# KiCad board chastity.kicad_pcb (continued)
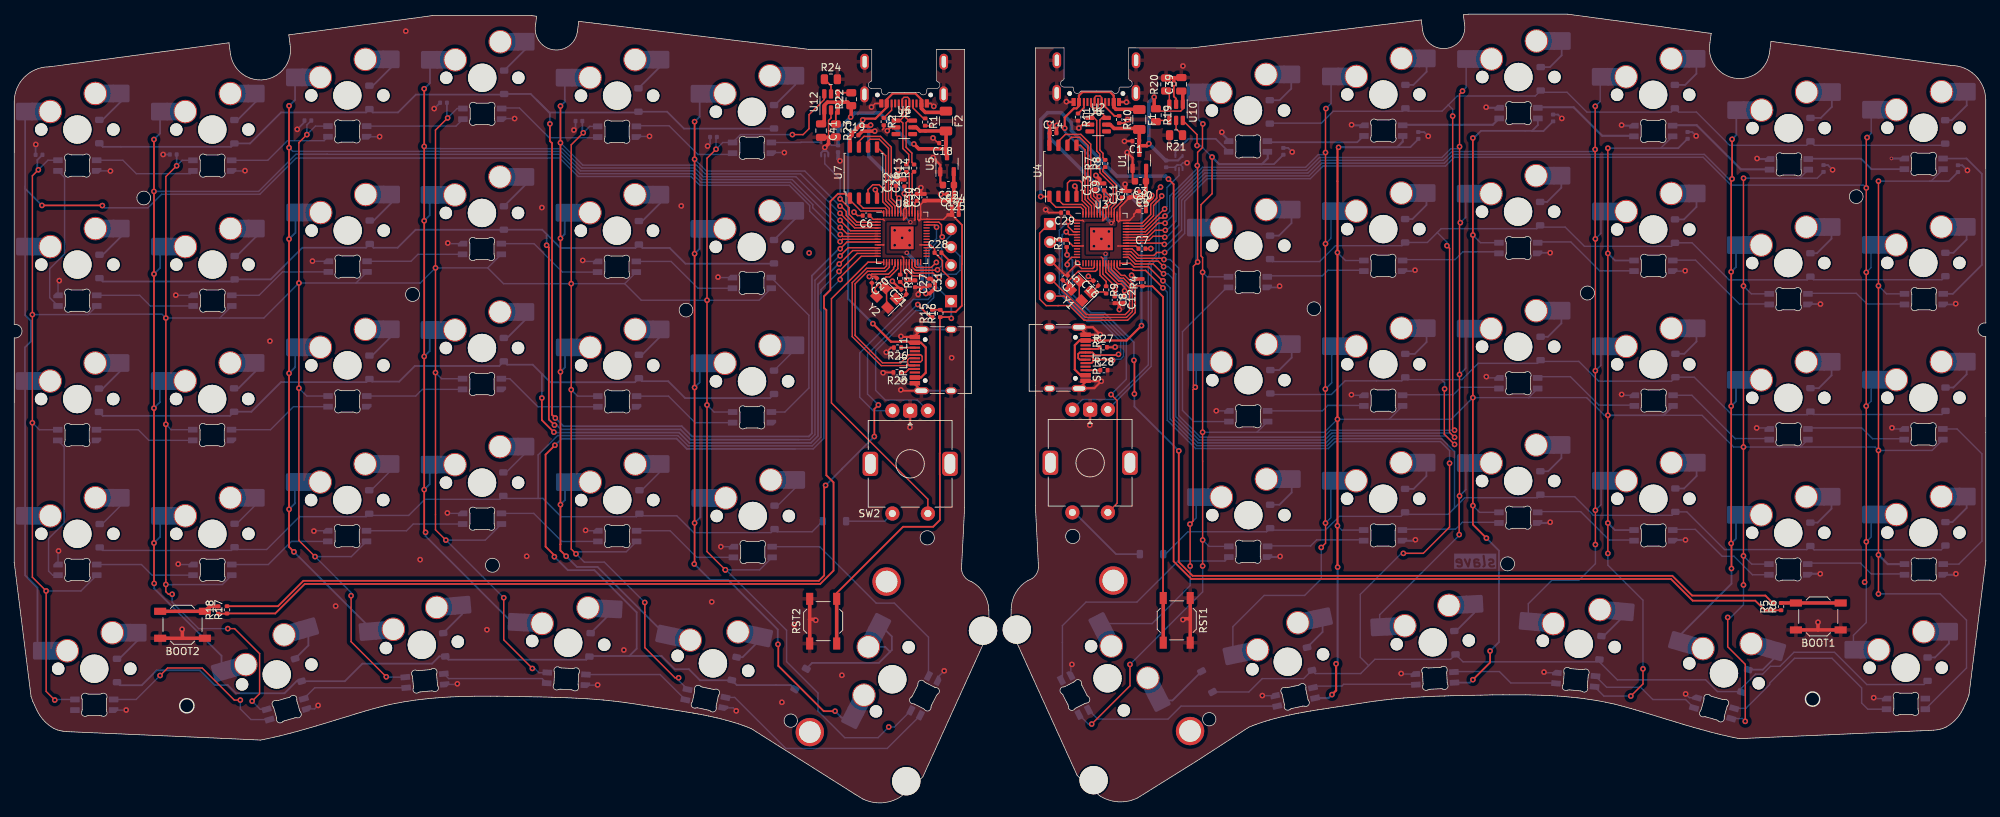
[diagram p0: board, top side]
## Nets
+1V1: C11.1 C12.1 C13.1 C30.1 C31.1 C32.1 U3.23 U3.45 U3.50 U8.23 U8.45 U8.50
+3V3: C2.1 C3.1 C4.1 C5.1 C6.1 C7.1 C8.1 C9.1 C10.1 C14.1 C17.1 C19.1 C22.1 C23.1 C24.1 C25.1 C26.1 C27.1 C28.1 C29.1 J4.2 J8.2 R3.2 R4.2 R15.2 R16.2 U1.2 U3.1 U3.10 U3.22 U3.33 U3.42 U3.43 U3.44 U3.48 U3.49 U4.8 U5.2 U7.8 U8.1 U8.10 U8.22 U8.33 U8.42 U8.43 U8.44 U8.48 U8.49
+5V: C1.1 C18.1 C33.2 C39.1 C40.2 C41.1 F1.2 F2.2 R19.1 R22.1 U1.3 U2.5 U5.3 U6.5 U9.5 U10.1 U11.5 U12.1
GND: BOOT1.1 BOOT2.1 C1.2 C2.2 C3.2 C4.2 C5.2 C6.2 C7.2 C8.2 C9.2 C10.2 C11.2 C12.2 C13.2 C14.2 C15.1 C16.2 C17.2 C18.2 C19.2 C20.1 C21.2 C22.2 C23.2 C24.2 C25.2 C26.2 C27.2 C28.2 C29.2 C30.2 C31.2 C32.2 C33.1 C34.1 C35.1 C36.1 C37.1 C38.1 C39.2 C40.1 C41.2 C42.1 C43.1 C44.1 C45.1 C46.1 C47.1 C48.1 J2.A1 J2.A12 J2.B1 J2.B12 J2.S1 J4.3 J6.A1 J6.A12 J6.B1 J6.B12 J6.S1 J8.3 LED1.4 LED2.4 LED3.4 LED4.4 LED5.4 LED6.4 LED7.4 LED8.4 LED9.4 LED10.4 LED11.4 LED12.4 LED13.4 LED14.4 LED15.4 LED16.4 LED17.4 LED18.4 LED19.4 LED20.4 LED21.4 LED22.4 LED23.4 LED24.4 LED25.4 LED26.4 LED27.4 LED28.4 LED29.4 LED30.4 LED31.4 LED32.4 LED33.4 LED34.4 LED35.4 LED36.4 LED37.4 LED38.4 LED39.4 LED40.4 LED41.4 LED42.4 LED43.4 LED44.4 LED45.4 LED46.4 LED47.4 LED48.4 LED49.4 LED50.4 LED51.4 LED52.4 LED53.4 LED54.4 LED55.4 LED56.4 LED57.4 LED58.4 LED59.4 LED60.4 R1.2 R2.2 R10.2 R11.2 R20.2 R21.2 R23.2 R24.2 R25.2 R26.2 R27.2 R28.2 RST1.1 RST2.1 SPLIT_L1.A1 SPLIT_L1.A12 SPLIT_L1.B1 SPLIT_L1.B12 SPLIT_L1.S1 SPLIT_R1.A1 SPLIT_R1.A12 SPLIT_R1.B1 SPLIT_R1.B12 SPLIT_R1.S1 SW1.C SW2.C U1.1 U2.2 U3.19 U3.57 U4.4 U5.1 U6.2 U7.4 U8.19 U8.57 U9.1 U9.3 U10.2 U11.1 U11.3 U12.2 Y1.2 Y1.4 Y2.2 Y2.4
col 0: SW1.S2 U3.14
col 0_L: SW2.S2 U8.15
col 1: MX1.1 MX7.1 MX13.1 MX19.1 MX25.1 U3.32
col 1_L: MX31.1 MX37.1 MX43.1 MX49.1 MX55.1 U8.3
col 2: MX2.1 MX8.1 MX14.1 MX20.1 MX26.1 U3.34
col 2_L: MX32.1 MX38.1 MX44.1 MX50.1 MX56.1 U8.4
col 3: MX3.1 MX9.1 MX15.1 MX21.1 MX27.1 U3.35
col 3_L: MX33.1 MX39.1 MX45.1 MX51.1 MX57.1 U8.5
col 4: MX4.1 MX10.1 MX16.1 MX22.1 MX28.1 U3.36
col 4_L: MX34.1 MX40.1 MX46.1 MX52.1 MX58.1 U8.6
col 5: MX5.1 MX11.1 MX17.1 MX23.1 MX29.1 U3.37
col 5_L: MX35.1 MX41.1 MX47.1 MX53.1 MX59.1 U8.7
col 6: MX6.1 MX12.1 MX18.1 MX24.1 MX30.1 U3.38
col 6_L: MX36.1 MX42.1 MX48.1 MX54.1 MX60.1 U8.8
CURR_LIM: R21.1 U10.5
CURR_LIM_L: R24.1 U12.5
D+: J2.A6 J2.B6 J6.A6 J6.B6 R7.2 R13.2 U2.1 U6.1
D-: J2.A7 J2.B7 J6.A7 J6.B7 R8.2 R14.2 U2.6 U6.6
D_Split_L+: SPLIT_L1.A6 SPLIT_L1.B6 U8.17
D_Split_L-: SPLIT_L1.A7 SPLIT_L1.B7 U8.16
D_Split_R+: SPLIT_R1.A6 SPLIT_R1.B6 U3.6
D_Split_R-: SPLIT_R1.A7 SPLIT_R1.B7 U3.5
LED_Data_3V3: U3.39 U9.2
LED_Data_3V3_L: U8.2 U11.2
LED_Data_5V: LED31.3 U9.4
LED_Data_5V_L: LED1.3 U11.4
LED_Pow_5V: C34.2 C35.2 C36.2 C37.2 C38.2 C47.2 LED31.1 LED32.1 LED33.1 LED34.1 LED35.1 LED36.1 LED37.1 LED38.1 LED39.1 LED40.1 LED41.1 LED42.1 LED43.1 LED44.1 LED45.1 LED46.1 LED47.1 LED48.1 LED49.1 LED50.1 LED51.1 LED52.1 LED53.1 LED54.1 LED55.1 LED56.1 LED57.1 LED58.1 LED59.1 LED60.1 U10.6
LED_Pow_5V_L: C42.2 C43.2 C44.2 C45.2 C46.2 C48.2 LED1.1 LED2.1 LED3.1 LED4.1 LED5.1 LED6.1 LED7.1 LED8.1 LED9.1 LED10.1 LED11.1 LED12.1 LED13.1 LED14.1 LED15.1 LED16.1 LED17.1 LED18.1 LED19.1 LED20.1 LED21.1 LED22.1 LED23.1 LED24.1 LED25.1 LED26.1 LED27.1 LED28.1 LED29.1 LED30.1 U12.6
Q_CLK: U3.52 U4.6
Q_CLK_L: U7.6 U8.52
Q_IO0: U3.53 U4.5
Q_IO0_L: U7.5 U8.53
Q_IO1: U3.55 U4.2
Q_IO1_L: U7.2 U8.55
Q_IO2: U3.54 U4.3
Q_IO2_L: U7.3 U8.54
Q_IO3: U3.51 U4.7
Q_IO3_L: U7.7 U8.51
Q_SEL: R5.1 R6.1 U3.56 U4.1
Q_SEL_L: R17.1 R18.1 U7.1 U8.56
R_L: U8.36
RESET: J4.1 R4.1 RST1.2 U3.26
RESET_L: J8.1 R16.1 RST2.2 U8.26
rot A: SW1.A U3.40
rot A_L: SW2.A U8.41
rot B: SW1.B U3.41
rot B_L: SW2.B U8.40
row 0: D1.1 D2.1 D3.1 D4.1 D5.1 D6.1 U3.31
row 0_L: D33.1 D34.1 D35.1 D36.1 D37.1 D38.1 U8.9
row 1: D7.1 D8.1 D9.1 D10.1 D11.1 D12.1 U3.30
row 1_L: D39.1 D40.1 D41.1 D42.1 D43.1 D44.1 U8.11
row 2: D13.1 D14.1 D15.1 D16.1 D17.1 D18.1 U3.29
row 2_L: D45.1 D46.1 D47.1 D48.1 D49.1 D50.1 U8.12
row 3: D19.1 D20.1 D21.1 D22.1 D23.1 D24.1 D31.1 U3.28
row 3_L: D51.1 D52.1 D53.1 D54.1 D55.1 D56.1 D57.1 U8.13
row 4: D25.1 D26.1 D27.1 D28.1 D29.1 D30.1 U3.27
row 4_L: D58.1 D59.1 D60.1 D61.1 D62.1 D63.1 U8.14
SK6803_EN: R20.1 U10.3
SK6803_EN_L: R23.1 U12.3
SK6803_NFAULT: R19.2 U10.4
SK6803_NFAULT_L: R22.2 U12.4
Split_5v5_L: F1.1 F2.1 J2.A4 J2.A9 J2.B4 J2.B9 J6.A4 J6.A9 J6.B4 J6.B9 SPLIT_L1.A4 SPLIT_L1.A9 SPLIT_L1.B4 SPLIT_L1.B9 SPLIT_R1.A4 SPLIT_R1.A9 SPLIT_R1.B4 SPLIT_R1.B9
SWC: J4.4 U3.24
SWC_L: J8.4 U8.24
SWD: J4.5 U3.25
SWD_L: J8.5 U8.25
XIN: C15.2 U3.20 Y1.3
XIN_L: C20.2 U8.20 Y2.3
XOUT: R9.1 U3.21
XOUT_L: R12.1 U8.21
Net-(BOOT1-Pad2): BOOT1.2 R6.2
Net-(BOOT2-Pad2): BOOT2.2 R18.2
Net-(C16-Pad1): C16.1 R9.2 Y1.1
Net-(C21-Pad1): C21.1 R12.2 Y2.1
Net-(D1-A): D1.2 MX1.2
Net-(D2-A): D2.2 MX2.2
Net-(D3-A): D3.2 MX3.2
Net-(D4-A): D4.2 MX4.2
Net-(D5-A): D5.2 MX5.2
Net-(D6-A): D6.2 MX6.2
Net-(D7-A): D7.2 MX7.2
Net-(D8-A): D8.2 MX8.2
Net-(D9-A): D9.2 MX9.2
Net-(D10-A): D10.2 MX10.2
Net-(D11-A): D11.2 MX11.2
Net-(D12-A): D12.2 MX12.2
Net-(D13-A): D13.2 MX13.2
Net-(D14-A): D14.2 MX14.2
Net-(D15-A): D15.2 MX15.2
Net-(D16-A): D16.2 MX16.2
Net-(D17-A): D17.2 MX17.2
Net-(D18-A): D18.2 MX18.2
Net-(D19-A): D19.2 MX19.2
Net-(D20-A): D20.2 MX20.2
Net-(D21-A): D21.2 MX21.2
Net-(D22-A): D22.2 MX22.2
Net-(D23-A): D23.2 MX23.2
Net-(D24-A): D24.2 MX24.2
Net-(D25-A): D25.2 MX25.2
Net-(D26-A): D26.2 MX26.2
Net-(D27-A): D27.2 MX27.2
Net-(D28-A): D28.2 MX28.2
Net-(D29-A): D29.2 MX29.2
Net-(D30-A): D30.2 MX30.2
Net-(D31-A): D31.2 SW1.S1
Net-(D33-A): D33.2 MX31.2
Net-(D34-A): D34.2 MX32.2
Net-(D35-A): D35.2 MX33.2
Net-(D36-A): D36.2 MX34.2
Net-(D37-A): D37.2 MX35.2
Net-(D38-A): D38.2 MX36.2
Net-(D39-A): D39.2 MX37.2
Net-(D40-A): D40.2 MX38.2
Net-(D41-A): D41.2 MX39.2
Net-(D42-A): D42.2 MX40.2
Net-(D43-A): D43.2 MX41.2
Net-(D44-A): D44.2 MX42.2
Net-(D45-A): D45.2 MX43.2
Net-(D46-A): D46.2 MX44.2
Net-(D47-A): D47.2 MX45.2
Net-(D48-A): D48.2 MX46.2
Net-(D49-A): D49.2 MX47.2
Net-(D50-A): D50.2 MX48.2
Net-(D51-A): D51.2 SW2.S1
Net-(D52-A): D52.2 MX49.2
Net-(D53-A): D53.2 MX50.2
Net-(D54-A): D54.2 MX51.2
Net-(D55-A): D55.2 MX52.2
Net-(D56-A): D56.2 MX53.2
Net-(D57-A): D57.2 MX54.2
Net-(D58-A): D58.2 MX55.2
Net-(D59-A): D59.2 MX56.2
Net-(D60-A): D60.2 MX57.2
Net-(D61-A): D61.2 MX58.2
Net-(D62-A): D62.2 MX59.2
Net-(D63-A): D63.2 MX60.2
Net-(J2-CC1): J2.A5 R1.1
Net-(J2-CC2): J2.B5 R2.1
Net-(J6-CC1): J6.A5 R10.1
Net-(J6-CC2): J6.B5 R11.1
Net-(LED1-DOUT): LED1.2 LED2.3
Net-(LED2-DOUT): LED2.2 LED3.3
Net-(LED3-DOUT): LED3.2 LED4.3
Net-(LED4-DOUT): LED4.2 LED5.3
Net-(LED5-DOUT): LED5.2 LED6.3
Net-(LED7-DIN): LED7.3 LED8.2
Net-(LED8-DIN): LED8.3 LED9.2
Net-(LED10-DIN): LED10.3 LED11.2
Net-(LED10-DOUT): LED9.3 LED10.2
Net-(LED11-DIN): LED11.3 LED12.2
Net-(LED12-DIN): LED6.2 LED12.3
Net-(LED13-DIN): LED7.2 LED13.3
Net-(LED13-DOUT): LED13.2 LED14.3
Net-(LED14-DOUT): LED14.2 LED15.3
Net-(LED15-DOUT): LED15.2 LED16.3
Net-(LED16-DOUT): LED16.2 LED17.3
Net-(LED17-DOUT): LED17.2 LED18.3
Net-(LED18-DOUT): LED18.2 LED24.3
Net-(LED19-DIN): LED19.3 LED20.2
Net-(LED19-DOUT): LED19.2 LED25.3
Net-(LED20-DIN): LED20.3 LED21.2
Net-(LED21-DIN): LED21.3 LED22.2
Net-(LED22-DIN): LED22.3 LED23.2
Net-(LED23-DIN): LED23.3 LED24.2
Net-(LED25-DOUT): LED25.2 LED26.3
Net-(LED26-DOUT): LED26.2 LED27.3
Net-(LED27-DOUT): LED27.2 LED28.3
Net-(LED28-DOUT): LED28.2 LED29.3
Net-(LED29-DOUT): LED29.2 LED30.3
Net-(LED31-DOUT): LED31.2 LED32.3
Net-(LED32-DOUT): LED32.2 LED33.3
Net-(LED33-DOUT): LED33.2 LED34.3
Net-(LED34-DOUT): LED34.2 LED35.3
Net-(LED35-DOUT): LED35.2 LED36.3
Net-(LED36-DOUT): LED36.2 LED42.3
Net-(LED37-DIN): LED37.3 LED38.2
Net-(LED37-DOUT): LED37.2 LED43.3
Net-(LED38-DIN): LED38.3 LED39.2
Net-(LED39-DIN): LED39.3 LED40.2
Net-(LED40-DIN): LED40.3 LED41.2
Net-(LED41-DIN): LED41.3 LED42.2
Net-(LED43-DOUT): LED43.2 LED44.3
Net-(LED44-DOUT): LED44.2 LED45.3
Net-(LED45-DOUT): LED45.2 LED46.3
Net-(LED46-DOUT): LED46.2 LED47.3
Net-(LED47-DOUT): LED47.2 LED48.3
Net-(LED48-DOUT): LED48.2 LED54.3
Net-(LED49-DIN): LED49.3 LED50.2
Net-(LED49-DOUT): LED49.2 LED55.3
Net-(LED50-DIN): LED50.3 LED51.2
Net-(LED51-DIN): LED51.3 LED52.2
Net-(LED52-DIN): LED52.3 LED53.2
Net-(LED53-DIN): LED53.3 LED54.2
Net-(LED55-DOUT): LED55.2 LED56.3
Net-(LED56-DOUT): LED56.2 LED57.3
Net-(LED57-DOUT): LED57.2 LED58.3
Net-(LED58-DOUT): LED58.2 LED59.3
Net-(LED59-DOUT): LED59.2 LED60.3
Net-(R3-Pad1): R3.1 R5.2
Net-(R15-Pad1): R15.1 R17.2
Net-(SPLIT_L1-CC1): R25.1 SPLIT_L1.A5
Net-(SPLIT_L1-CC2): R26.1 SPLIT_L1.B5
Net-(SPLIT_R1-CC1): R27.1 SPLIT_R1.A5
Net-(SPLIT_R1-CC2): R28.1 SPLIT_R1.B5
Net-(U3-USB_DM): R8.1 U3.46
Net-(U3-USB_DP): R7.1 U3.47
Net-(U8-USB_DM): R14.1 U8.46
Net-(U8-USB_DP): R13.1 U8.47

Pads without a net: J2 A8 B8; J6 A8 B8; LED30 2; LED60 2; SPLIT_L1 A8 B8; SPLIT_R1 A8 B8; SW1 MP; SW2 MP; U2 3 4; U3 2 3 4 7 8 9 11 12 13 15 16 17 18; U6 3 4; U8 18 27 28 29 30 31 32 34 35 37 38 39

## Via types
v1: diameter 0.8, hole 0.4, Top to Bottom, 372 vias
v2: diameter 0.5, hole 0.3, Top to Bottom, 1 via
v3: diameter 0.6, hole 0.35, Top to Bottom, 4 vias

## Routing (per net, layer and track width the routed paths; a pad name or vN(x,y) marks a point on that pad's centre or on a via; arc(x,y) is an arc through that point)
+1V1: length 52.4
  Top w0.2: C12.1 156.18,72.03 v1(156.34,72.19) 156.34,72.68 155.86,73.15 155.38,73.15 153.69,74.85 U3.23 ; C32.1 124.16,85.64 v1(124.57,85.23) 124.83,84.97 U8.50 ; v1(152.77,85.48) 152.24,86 C13.1 151.98,86.26 151.98,85.55 152.89,84.64 U3.50 ; C11.1 155.96,84.8 154.89,83.73 U3.45 154.89,82 154.66,81.77 ; 126.75,82.12 126.83,82.19 U8.45 126.83,84.6 C30.1 ; 128.71,73.69 128.13,74.28 126.53,74.28 125.63,75.18 125.63,76.21
  Top w0.5: 128.89,73.9 129.08,73.9 129.65,73.32 129.65,72.55 128.9,71.8 v1(128.36,71.8)
  Bottom w0.3: v3(126.19,81.85) 124.77,83.27 124.77,85.03 v1(124.57,85.23)
  Bottom w0.5: v3(125.67,77.55) 127.74,75.47 127.84,75.47 127.84,72.7 128.36,72.18 v1(128.36,71.8) ; v1(156.34,72.19) 156.34,73.15 153.67,75.82 v3(153.67,77.4) ; v3(154.48,81.72) 152.77,83.43 v1(152.77,85.48)
+3V3: length 142.3
  Top w0.2: C29.1 149.46,82.1 150.46,82.1 150.59,81.97 ; 127.42,82.07 127.61,82.25 U8.42 130.84,82.25 131.48,82.89 ; 127.42,82.07 127.63,82.27 127.63,84.34 C23.1 ; 127.42,82.07 127.23,82.26 127.23,83.09 ; v1(154.96,72.45) 154.96,72.86 153.29,74.53 U3.22 153.29,76.73 153.05,76.97 ; 125.43,83.85 125.63,83.65 125.63,82.58 125.23,82.18 125.23,83.65 125.43,83.85 ; 125.43,83.85 125.63,84.05 125.63,85.58 v1(125.33,85.88) 125.34,85.9 C26.1 ; U3.44 155.29,82.13 155.49,81.92 ; C6.1 120.97,82.25 U8.1 122.36,82.25 122.52,82.09 ; U8.10 122.42,78.65 122.43,78.66 ; 127.53,78.65 127.54,78.65 U8.33 129,78.65 129.59,78.06 C28.1 130.7,76.44 130.7,75.03 131.91,73.82 J8.2 ; 158.11,83.43 157.64,82.97 157.64,82.7 157.05,82.1 155.67,82.1 155.49,81.92 ; 155.49,81.92 155.69,82.12 U3.43 155.69,83.96 C4.1 ; 153.64,84.18 153.29,83.83 U3.49 153.29,82.08 153.69,82.48 U3.48 153.69,83.69 153.48,83.89 153.48,84.02 154.35,84.89 154.35,85.46 C9.1 153.46,85.78 153.47,85.77 153.47,85.44 v1(153.72,85.18) ; R3.2 149.07,78.5 U3.10 150.51,78.5 150.52,78.51 ; 155.4,78.49 155.4,78.5 U3.33 157.93,78.5 C7.1 ; 125.02,77.02 125.23,76.82 125.23,75.02 125.66,74.59 v1(125.66,73.74)
  Top w0.25: C25.1 132.03,82.88 133.46,81.45 133.46,75.95 133.43,75.92 133.43,70.08 132.57,69.21 130.71,69.21 130.41,69.51 R15.2
  Top w0.5: C27.1 125.75,73.65 v1(125.66,73.74) ; C4.1 157.13,85.41 158.91,85.41 159.36,85.86 159.36,86.17 159.35,86.18 C3.1 159.38,87.65 U1.2 ; 131.48,82.89 C25.1 132.03,84.03 C24.1 ; v1(157.33,74.37) 157.86,73.84 R4.2 ; U4.8 145.76,94.38 C14.1 145.79,95.75 v1(145.77,95.77) ; v1(120.58,95.53) 120.47,95.42 119.02,95.42 117.91,94.3 117.91,94.12 117.67,93.88 U7.8 ; v1(154.96,72.45) C8.1 ; U5.2 132.29,85.78 C17.1 132.29,85.39 131.78,84.88 C23.1 ; C5.1 158.14,83.41 158.11,83.43 ; 145.84,79.05 146.16,79.37 R3.2
  Bottom w0.5: v1(153.72,85.18) 153.72,85.8 145.7,93.83 145.7,95.7 v1(145.77,95.77) ; v1(120.58,95.53) 120.32,95.27 120.32,91.16 125.33,86.15 v1(125.33,85.88) ; v1(154.96,72.45) 154.96,71.98 155.86,71.08 156.64,71.08 157.42,71.86 157.42,74.29 v1(157.33,74.37)
+5V: length 70
  Top w0.2: R19.1 161.09,97.51 164.24,97.51 164.54,97.81 U10.1
  Top w0.5: 131.2,92.2 C18.1 131.22,93.02 131.22,94.69 F2.2 127.53,94.71 127.03,95.22 U6.5 ; 131.2,92.2 127.35,92.2 v1(126.68,92.87) ; 131.2,92.2 131.2,91.37 U5.3 ; U10.1 164.54,100.12 C39.1 ; v1(159.77,92.92) 159.48,92.64 158.4,92.64 ; 158.4,92.64 C1.1 158.42,93.3 F1.2 158.28,95.07 154.86,95.07 154.33,95.6 U2.5 ; 158.4,92.64 158.4,91.73 U1.3 ; C41.1 114.06,96.16 U12.1 114.06,98.32 114.51,98.77 117.36,98.77 R22.1 117.86,96.75 v1(117.78,96.67) ; R19.1 160.51,98.09 v1(160.51,99.48)
  Bottom w0.2: U11.5 115.08,92.68 C40.2
  Bottom w0.3: C33.2 162.21,90.56 163.88,90.56 U9.5
  Bottom w0.5: C33.2 162.14,90.55 v1(159.77,92.92) 159.77,98.74 v1(160.51,99.48) ; v1(126.68,92.87) 126.21,92.87 121.83,97.25 121.09,97.25 121.06,97.22 118.33,97.22 v1(117.78,96.67) 116,94.89 C40.2
GND: length 319.4
  Top w0.2: Y2.2 122.83,72.38 122.83,69.97 Y2.4 ; SW1.C 151.5,53.3 v1(151.44,53.24) ; R2.2 122.44,95.08 122.21,94.85 ; J2.A12 121.22,98.59 v1(120.71,98.07) ; v1(118.25,83.27) 118.73,82.78 C6.2 ; U12.2 115.01,96.54 114.66,96.19 114.66,93.81 114.66,93.81 ; v1(151.24,74.22) 151.31,74.22 C16.2 151.93,73.57 Y1.2 149.97,73.55 149.97,71.14 Y1.4 ; J2.A1 129.07,98.59 v1(129.48,98.18) ; v1(160.04,78.14) 160.01,78.12 C7.2 ; SW2.C 126.15,52.95 v1(126.12,52.92) ; v1(129.37,93.73) 130.09,93 C18.2 ; v1(120.4,74.19) 120.75,74.53 123.1,74.53 123.82,75.26 123.82,75.48 124.03,75.68 U8.19 ; 129.16,95.42 128.3,95.42 128.27,95.46 ; 145.84,76.51 145.84,76.6 ; U3.19 152.09,75.53 151.88,75.32 150.29,75.32 149.73,75.89 v1(149.73,76.08) 148.32,74.68 C15.1
  Top w0.25: v1(148.15,98.85) 148.21,98.79 J6.A12 ; v1(155.02,64.25) 154.99,64.22 R27.2 ; U7.4 121.48,86.19 v1(121.25,86.42) ; v1(122.35,60.62) 122.41,60.68 R25.2 ; U2.2 150.38,95.6 v1(149.9,95.11) ; C1.2 156.35,93.28 v1(156.33,93.25) ; C27.2 127.96,72.69 ; 127.96,72.69 128.65,72.69 C31.2 ; 127.96,72.69 127.29,72.03 v1(127.29,71.67) ; C3.2 157.48,87.95 U1.1 ; C15.1 147.99,74.36 J4.3 ; v1(124.84,58.21) 124.96,58.09 SPLIT_L1.S1 ; v1(156.61,98.77) 156.58,98.79 J6.A1 ; v1(122.94,94.74) 123.41,95.22 U6.2 ; R10.2 156.28,95.81 v1(156.77,96.31) ; v1(145.23,83.62) 145.66,83.19 C29.2 ; v1(122.79,63.5) 123.46,64.17 R26.2 ; J8.3 131.91,76.19 C28.2 ; U10.2 163.59,99.27 163.28,99.58 v1(163.28,101.36)
  Top w0.3: SPLIT_L1.S1 126.82,59.01 SPLIT_L1.A1 ; v1(156.7,91.69) 157.48,90.92 U1.1 ; v1(129.38,90.94) 130.39,89.93 U5.1 130.41,88.94 130.41,87.45 C22.2 ; C24.2 132.99,84.85 v1(133.07,84.93) ; U4.4 149.57,86.7 v1(149.34,86.94) ; SPLIT_L1.S1 126.82,65.82 SPLIT_L1.A12 124.95,65.66 v1(124.86,65.75) ; v1(130.44,85.78) C17.2 ; C20.1 121.23,74.19 v1(120.4,74.19) ; v1(123.64,73.53) 124.82,72.36 C21.2 124.69,72.59 Y2.2 ; SPLIT_R1.A12 150.86,59.33 SPLIT_R1.S1 150,58.46 152.09,58.46 v1(153.06,59.43) 153.05,59.44 150.9,59.44 SPLIT_R1.A12 ; SPLIT_R1.S1 151.87,67.05 v1(152.91,66.01) 152.88,65.98 SPLIT_R1.A1 150.86,66.14 SPLIT_R1.S1
  Top w0.5: v1(155.61,69.53) 155.61,70.43 ; 155.61,70.43 156.12,70.43 C12.2 ; 155.61,70.43 C8.2 ; v1(154.13,78.46) U3.57 152.05,78.46 v1(152.03,78.46) ; 114.66,93.81 115.63,93.81 R23.2 ; 114.66,93.81 C41.2 ; 114.66,93.81 114.66,92.91 v1(114.13,92.38) ; 112.01,25.87 RST2.1 ; 112.01,25.87 RST2.1 ; 112.01,25.87 112.74,25.87 v1(112.86,25.75) ; 156.47,86.26 155.98,86.26 C11.2 ; 156.47,86.26 156.47,87.15 v1(156.41,87.21) ; 156.47,86.26 C4.2 ; 165.59,25.96 RST1.1 ; 165.59,25.96 RST1.1 ; 165.59,25.96 164.69,25.96 v1(164.56,25.83) ; 23.67,23.21 20.55,23.21 ; 23.67,23.21 26.85,23.21 ; 23.67,23.21 23.67,24.44 v1(23.64,24.47) ; 163.28,102.18 164.28,102.18 C39.2 ; 163.28,102.18 R20.2 ; 163.28,102.18 v1(163.28,101.36) ; 152.85,87.31 152.85,87.9 v1(152.3,88.44) ; 152.85,87.31 152.42,87.31 C13.2 ; 152.85,87.31 C9.2 ; v1(146.79,95.49) 146.75,95.45 C14.2 ; v1(121.17,94.68) 119.43,94.68 C19.2 ; 127.64,85.84 127.64,86.7 v1(127.67,86.72) ; 127.64,85.84 C30.2 ; 127.64,85.84 C23.2 ; 124.72,87.86 C26.2 ; 124.72,87.86 124.25,87.86 C32.2 ; 124.72,87.86 124.45,88.13 v1(124.45,89.18) 124.45,88.75 ; v1(160.17,85.62) 160.17,85.3 C10.2 159.35,84.45 C5.2 ; C24.2 132.99,84.03 C25.2 ; v1(152.02,80.56) v1(153.08,79.5) ; 253.98,24.38 v1(253.98,25.45) ; 253.98,24.38 BOOT1.1 ; 253.98,24.38 BOOT1.1
  Bottom w0.2: v1(61,40.86) 61.05,40.81 LED21.4 ; v1(51.45,93.91) 51.42,93.89 LED4.4 ; 164.31,89.86 164.25,89.92 163.75,89.92 ; 164.31,89.86 164.31,89.98 164.56,90.22 v1(165.14,90.22) ; 164.31,89.86 164.5,89.67 U9.1 ; v1(42,76.36) 42.02,76.34 LED10.4 ; LED59.4 235.87,14.83 v1(235.34,15.36) ; v1(22.75,71.56) 22.77,71.54 LED11.4 ; v1(188.29,57.53) 188.36,57.45 LED44.4 ; v1(15.77,13.09) 15.76,13.08 LED30.4 ; 163.75,89.92 163.43,89.59 C33.1 ; 163.75,89.92 163.5,89.67 U9.3 ; LED22.4 42.24,38.36 v1(42.2,38.31) ; v1(80.05,76.46) 80.19,76.32 LED8.4 ; LED55.4 148.78,19.37 v1(148.93,19.52) ; v1(13.55,89.06) 13.53,89.08 LED6.4 ; v1(215.4,18.44) 215.5,18.34 LED58.4 ; LED40.4 235.22,74.95 v1(235.28,75.01) ; LED7.4 99.17,74.04 v1(99.1,74.11) ; v1(175.74,15.13) 175.75,15.11 LED56.4 ; LED46.4 226.44,57.45 v1(226.33,57.57) ; v1(101.67,12.97) 101.24,13.4 LED26.4 ; v1(80.45,38.41) 80.51,38.35 LED20.4 ; v1(82.15,16.63) 82.11,16.59 LED27.4 ; v1(264.39,52.87) 264.55,52.7 LED48.4 ; v1(32.5,89.11) 32.45,89.07 LED5.4 ; v1(89.45,93.96) 89.43,93.94 87.58,93.94 ; v1(261.82,14.83) 261.94,14.7 LED60.4 ; v1(61.05,78.91) 61.14,78.82 LED9.4 ; v1(245.34,52.85) 246.97,52.85 LED47.4 ; LED43.4 169.27,55.25 v1(169.26,55.26) ; LED25.4 130.07,17.74 v1(130.95,18.61) ; 106.65,91.67 108.43,91.67 v1(108.44,91.67) ; v1(42.79,13.74) 42.3,13.25 LED29.4 ; LED24.4 6.17,35.44 v1(6.25,35.51) ; LED28.4 62.31,16.7 v1(62.4,16.79) ; LED23.4 23.16,33.6 v1(23.1,33.66) ; v1(70.46,96.46) 70.45,96.45 68.59,96.45 ; LED45.4 207.45,59.9 v1(207.28,60.08) ; LED12.4 6.17,73.44 v1(6.35,73.61) ; v1(195.29,18.23) 195.36,18.16 LED57.4 ; LED19.4 99.5,36.11 v1(99.5,36.11)
  Bottom w0.25: C46.1 3.02,92.79 v1(3.03,92.81) ; v1(178.17,72.84) 177.99,72.65 LED37.4 ; 114.12,91.89 114.39,91.89 114.63,91.65 U11.1 ; 114.12,91.89 114.12,92.37 v1(114.13,92.38) ; 114.12,91.89 113.88,91.89 113.63,91.65 U11.3 ; v1(39.85,94.94) 40.87,95.96 C44.1 ; SPLIT_L1.S1 SPLIT_L1.S1 ; C34.1 179.37,92.32 v1(179.95,91.74) ; C35.1 217.36,97.02 v1(217.91,96.48) ; v1(236.82,94) 236.26,94.57 C36.1 ; C37.1 255.37,89.9 v1(256.04,89.23) ; C48.1 97.98,92.93 v1(97.63,92.58) ; LED41.4 252.62,70.31 v1(254.32,70.31) ; SPLIT_L1.S1 SPLIT_L1.S1 ; v1(216.27,77.54) 214.59,77.54 LED39.4 ; v1(199.11,93.97) 198.52,94.56 C47.1 ; v1(59.14,97.86) C43.1 ; v1(273.37,70.36) 273.26,70.25 LED42.4 ; v1(275.02,89.15) 274.3,89.88 C38.1 ; v1(20.97,91.39) 20.97,91.39 C45.1 ; LED38.4 197.11,74.95 v1(197.24,75.09) ; v1(78.81,94.84) 79.03,95.07 C42.1
  Bottom w0.3: LED49.4 178.16,34.65 v1(178.24,34.74) ; 266.1,90.83 LED36.4 264.33,90.83 v2(264.32,90.83) ; v1(170.04,94.54) 170.04,94.35 171.05,93.34 ; LED53.4 252.66,32.29 v1(254.29,32.29) ; 233.53,37.05 235.31,37.05 v1(235.32,37.06) ; v1(226.32,95.53) 226.4,95.46 LED34.4 ; SPLIT_R1.S1 SPLIT_R1.S1 ; v1(273.39,32.29) 273.26,32.15 LED54.4 ; SPLIT_R1.S1 SPLIT_R1.S1 ; v1(245.39,90.83) 245.47,90.75 LED35.4 ; v1(216.27,39.56) 216.16,39.45 LED51.4 ; v1(188.3,95.58) 188.38,95.51 LED32.4 ; LED33.4 207.34,97.97 v1(207.25,98.06) ; LED50.4 197.16,36.95 v1(197.29,37.09)
  Bottom w0.5: v1(152.03,78.46) 153.07,79.5 v1(153.08,79.5) ; v1(152.03,78.46) 154.12,78.46 v1(154.13,78.46) ; v1(152.03,78.46) 152.03,80.56 v1(152.02,80.56) 154.11,80.56 v1(154.13,80.54) ; v1(154.13,80.54) 154.12,80.54 v1(153.08,79.5) ; v1(154.13,80.54) v1(154.13,78.46) ; v1(153.08,79.5) 153.08,79.5 v1(154.13,78.46) ; C40.1 116,90.77 v1(116.27,90.5)
  vias: v1(36,65.09) v1(45.26,27.74) v1(55.14,108.78) v1(57.16,34.29) v1(66.56,24.41) v1(72.15,34.76) v1(74.29,83.91) v1(85.84,21.55) v1(93.93,84.15) v1(98.21,28.34) v1(108.09,14.18) v1(109.84,25.11) v1(116.54,17.98) v1(123.97,80.71) v1(123.97,78.61) v1(125.03,79.65) v1(126.07,80.69) v1(126.07,78.6) v1(132,62.74) v1(164.56,103.87)
(no net):
  vias: v1(111.93,77.52)
col 0: length 43.3
  Top w0.2: SW1.S2 155.3,42.24 155.3,56.7 v1(154.44,57.56) ; U3.14 148.88,76.9 148.28,76.29 v1(148.28,75.87)
  Bottom w0.2: v1(154.44,57.56) 156.59,59.72 156.59,65.37 153.31,68.65 151.42,68.65 148.25,71.82 148.25,75.84 v1(148.28,75.87)
col 0_L: length 45.4
  Top w0.2: SW2.S2 128.65,42.8 115.07,56.38 115.07,71.07 120.21,76.21 U8.15
col 1: length 204.4
  Top w0.2: 156.52,78.1 157.39,78.1 158.33,77.16 160.47,77.16 160.89,77.58 v1(161.99,77.58) ; v1(260.89,93.79) 260.78,93.67 v1(260.78,86.68) 260.78,74.79 v1(260.78,74.78) 260.77,74.78 v1(260.77,55.93) 260.78,55.92 v1(260.78,36.81) 260.77,36.8 260.77,31.34 v1(260.55,31.11)
  Bottom w0.2: v1(260.77,55.93) 261.46,56.62 MX13.1 ; v1(260.78,36.81) 261.46,37.48 MX19.1 ; 261.47,97.7 261.47,94.36 v1(260.89,93.79) ; v1(260.78,86.68) 260.39,87.07 241.75,87.07 237.81,91.01 202.76,91.01 201.53,89.77 184.28,89.77 182.49,87.98 167.98,87.98 164.8,84.8 164.8,80.27 162.12,77.58 v1(161.99,77.58) ; v1(260.55,31.11) 260.77,30.89 260.77,25.43 258.97,23.62 MX25.1 ; MX7.1 261.45,75.46 v1(260.78,74.78)
col 1_L: length 142.1
  Top w0.2: U8.3 118.5,81.45 117.15,82.81 117.15,83.36 116.4,84.11 v1(116.28,84.11)
  Top w0.25: v1(95.8,96.02) v1(95.8,90.73) v1(95.8,77.41) v1(95.8,58.55) v1(95.8,39.45) 95.8,33.72 v1(95.75,33.68) ; v1(107.54,22.35) 107.59,22.3 107.59,19.32 113.98,12.93 v1(115.58,12.93)
  Bottom w0.2: v1(95.8,90.73) 97.47,89.06 111.32,89.06 v1(116.28,84.11)
  Bottom w0.25: MX49.1 96.63,40.29 v1(95.8,39.45) ; v1(115.58,12.93) 116.49,12.02 MX55.1 ; MX43.1 96.53,59.27 v1(95.8,58.55) ; v1(107.54,22.35) 107.51,22.38 107.51,24.44 100.52,31.43 100.52,31.44 97.99,31.44 v1(95.75,33.68) ; v1(95.8,77.41) 96.5,78.11 MX37.1 ; MX31.1 96.52,96.74 v1(95.8,96.02)
col 2: length 185.3
  Top w0.2: v1(161.94,78.72) 161.77,78.9 U3.34
  Top w0.25: v1(241.8,33.04) 241.8,36.52 v1(241.75,36.57) 241.75,36.57 241.75,55.92 v1(241.76,55.92) 241.76,74.85 v1(241.75,74.85) 241.75,74.86 241.75,87.83 v1(241.88,87.96) 241.88,87.96 v1(241.88,93.54)
  Bottom w0.2: v1(241.88,87.96) 241.42,87.96 237.98,91.41 202.6,91.41 201.36,90.17 184.12,90.17 182.33,88.38 167.82,88.38 164.37,84.94 164.37,80.73 162.37,78.72 v1(161.94,78.72)
  Bottom w0.25: v1(241.88,93.54) 242.48,94.13 MX2.1 ; v1(241.76,55.92) 242.44,56.61 242.44,59.63 ; v1(241.8,33.04) 241.8,30.89 238.47,27.56 238.47,27.56 234.36,23.45 MX26.1 ; MX8.1 242.43,75.53 v1(241.75,74.85) ; MX20.1 242.43,37.25 v1(241.75,36.57)
col 2_L: length 147.3
  Top w0.2: U8.4 118.34,81.05 v1(116.28,83.11)
  Top w0.25: v1(77.72,34.77) 76.9,35.58 76.9,36.45 76.91,36.46 v1(76.91,42.04) v1(76.91,60.75) v1(76.91,79.57) v1(76.91,93.05) v1(76.91,98.22)
  Bottom w0.2: v1(76.91,93.05) 80.07,89.89 96.07,89.89 97.3,88.66 110.73,88.66 v1(116.28,83.11)
  Bottom w0.25: MX50.1 77.55,42.68 v1(76.91,42.04) ; MX32.1 77.53,98.83 v1(76.91,98.22) ; MX44.1 77.55,61.38 v1(76.91,60.75) ; MX56.1 82.14,33.25 79.23,33.25 v1(77.72,34.77) ; 77.51,83.19 77.51,80.16 v1(76.91,79.57)
col 3: length 169.5
  Top w0.2: U3.35 159.78,79.3 160.36,79.87 161.85,79.87 v1(162,79.72) ; v1(222.62,98.19) 222.6,98.17 v1(222.6,92.11) 222.6,79.53 v1(222.63,79.49) ; v1(222.64,36.41) v1(222.64,41.24) 222.63,41.24 v1(222.63,60.91) 222.63,79.43 222.62,79.45
  Bottom w0.2: v1(222.6,92.11) 222.3,91.81 202.43,91.81 201.2,90.57 183.95,90.57 182.16,88.78 167.65,88.78 163.97,85.11 163.97,81.44 162.25,79.72 v1(162,79.72) ; v1(222.64,41.24) 223.44,42.04 223.44,45.41 ; v1(222.63,60.91) 223.42,61.7 MX15.1 ; MX9.1 223.42,80.28 v1(222.63,79.49) ; v1(222.64,36.41) 222.64,33.71 220.32,31.4 216.52,31.4 213.19,28.07 MX27.1 ; 223.3,102.23 MX3.1 223.31,102.25 223.31,98.88 v1(222.62,98.19)
col 3_L: length 166.1
  Top w0.2: v1(116.29,82.11) 117.75,80.65 U8.5
  Top w0.25: v1(57.92,38.13) 57.73,38.32 v1(57.73,44.15) v1(57.73,62.93) v1(57.73,82.05) v1(57.73,92.54) v1(57.73,100.66)
  Bottom w0.2: v1(116.29,82.11) 116.22,82.11 110.07,88.26 97.04,88.26 95.81,89.49 79.91,89.49 77.18,92.22 59.98,92.22 59.96,92.24 58.03,92.24 v1(57.73,92.54)
  Bottom w0.25: MX33.1 58.55,101.48 v1(57.73,100.66) ; v1(57.73,62.93) 58.5,63.7 58.5,66.66 ; v1(57.73,82.05) 58.5,82.82 MX39.1 ; v1(57.92,38.13) 57.92,37.61 70.05,25.48 MX57.1 ; v1(57.73,44.15) 58.51,44.94 MX51.1
col 4: length 155.7
  Top w0.2: 203.5,60.38 203.5,81.67 v1(203.62,81.79) 203.51,81.9 v1(203.51,92.51) 203.51,99.93 v1(203.92,100.34) ; v1(203.5,60.39) v1(203.5,43.26) 203.45,43.21 203.45,37.83 v1(203.46,37.81) ; v1(162.07,80.72) 160.64,80.72 159.62,79.7 U3.36
  Bottom w0.2: v1(203.5,43.26) 204.4,44.16 MX22.1 ; v1(203.62,81.79) 204.39,82.56 MX10.1 ; v1(203.51,92.51) 203.21,92.21 202.27,92.21 201.03,90.97 183.79,90.97 182,89.18 167.48,89.18 163.57,85.27 163.57,82 162.29,80.72 v1(162.07,80.72) ; 204.4,66.84 204.4,61.28 v1(203.5,60.39) ; v1(203.46,37.81) 203.46,37.72 192.26,26.51 MX28.1 ; MX4.1 204.44,100.86 v1(203.92,100.34)
col 4_L: length 183.3
  Top w0.2: U8.6 117.22,80.25 116.37,81.11 v1(116.3,81.11)
  Top w0.25: v1(39.39,35.39) 38.7,36.07 v1(38.7,41.38) v1(38.7,60.55) v1(38.7,79.47) v1(38.7,92.36) v1(38.7,98.26)
  Bottom w0.2: v1(38.7,92.36) 39.22,91.84 59.8,91.84 59.81,91.82 77.01,91.82 79.74,89.09 95.64,89.09 96.87,87.86 109.54,87.86 v1(116.3,81.11) 116.32,81.09
  Bottom w0.25: v1(38.7,79.47) 39.6,80.37 MX40.1 ; v1(38.7,60.55) 39.56,61.41 MX46.1 ; MX52.1 39.52,42.21 v1(38.7,41.38) ; v1(39.39,35.39) 49.85,24.93 MX58.1 ; v1(38.7,98.26) 39.55,99.1 MX34.1
col 5: length 142.6
  Top w0.2: v1(184.62,58.32) 184.62,39.46 v1(184.63,39.44) 184.64,39.43 184.64,36.61 v1(184.03,36) ; v1(184.62,58.32) 184.62,78.79 v1(184.63,78.81) v1(184.63,91.67) 184.63,97.8 v1(184.69,97.86) ; v1(184.62,58.32) 184.6,58.3 ; 156.52,80.1 159.45,80.1 161.07,81.72 v1(162.05,81.72)
  Bottom w0.2: MX17.1 185.52,64.27 185.52,59.23 v1(184.62,58.32) ; MX23.1 185.39,40.2 v1(184.63,39.44) ; MX29.1 171.59,24.84 176,29.24 181.7,29.24 184.03,31.58 v1(184.03,36) ; v1(184.63,78.81) 185.4,79.58 185.4,83.3 ; v1(162.05,81.72) 163.17,82.84 163.17,85.44 167.32,89.58 181.83,89.58 183.62,91.37 184.33,91.37 v1(184.63,91.67) ; MX5.1 185.42,98.59 v1(184.69,97.86)
col 5_L: length 205
  Top w0.2: U8.7 116.57,79.85 v1(116.32,80.11)
  Top w0.25: v1(19.68,93.51) v1(19.68,86.19) v1(19.68,74.55) v1(19.68,55.64) v1(19.68,36.63) 19.68,36.63 19.68,30.96 v1(19.71,30.94)
  Bottom w0.2: v1(19.68,86.19) 34.42,86.19 39.67,91.44 44.06,91.44 44.08,91.42 76.85,91.42 79.58,88.69 95.47,88.69 96.7,87.46 109.31,87.46 112.44,84.33 112.44,83.89 116.22,80.11 v1(116.32,80.11)
  Bottom w0.25: v1(19.71,30.94) 19.71,30.22 29.19,20.73 MX59.1 ; v1(19.68,93.51) 20.54,94.37 MX35.1 ; v1(19.68,36.63) 20.54,37.5 MX53.1 ; v1(19.68,74.55) 20.56,75.43 MX41.1 ; v1(19.68,55.64) 20.51,56.47 MX47.1
col 6: length 114
  Top w0.2: v1(167.36,95.71) 167.31,95.66 167.31,92.38 166.63,91.7 v1(166.63,76.24) 166.03,75.64 166.03,58.86 v1(166.3,58.59) 165.97,58.26 165.97,39.71 v1(165.55,39.29) 165.58,39.26 v1(165.58,33.38) ; U3.38 159.29,80.5 161.22,82.44 161.75,82.44 v1(162.03,82.72)
  Bottom w0.2: v1(166.58,89.84) 166.58,89.41 162.71,85.54 162.71,83.39 v1(162.03,82.72) ; MX30.1 160.22,25.27 165.58,30.63 v1(165.58,33.38) ; 166.42,62.12 166.42,58.71 v1(166.3,58.59) ; v1(167.36,95.71) 166.75,96.32 166.75,99.75 166.36,100.14 ; v1(166.63,76.24) 166.4,76.47 MX12.1 ; v1(165.55,39.29) 166.42,40.16 MX24.1
col 6_L: length 207.6
  Top w0.2: U8.8 116.64,79.45 v1(116.29,79.11)
  Top w0.25: v1(3.91,84.22) 12.39,84.22 v1(12.41,84.19)
  Bottom w0.2: v1(116.29,79.11) 112.01,83.4 112.01,84.2 109.14,87.06 96.54,87.06 95.31,88.29 79.41,88.29 76.81,90.89 39.69,90.89 34.59,85.79 20.75,85.79 18.84,83.88 12.72,83.88 v1(12.41,84.19)
  Bottom w0.25: 116.3,79.1 v1(116.29,79.11) ; v1(3.91,84.22) 1.54,86.59 1.54,86.89 ; MX36.1 1.54,97.44 1.54,86.89 ; 1.54,86.89 MX42.1 1.54,68.77 2.37,67.93 2.37,65.06 1.5,64.19 MX48.1 1.53,59.43 MX54.1 1.53,32.08 3.27,30.34 3.27,22.09 MX60.1
CURR_LIM: length 2.5
  Top w0.2: U10.5 163.59,95.03 R21.1
CURR_LIM_L: length 2.5
  Top w0.25: U12.5 115.01,101.07 R24.1
D+: length 23.4
  Top w0.2: 125.32,97.74 125.54,97.96 J2.A6 ; 125.32,97.74 124.77,97.74 124.54,97.96 J2.B6 ; 125.32,97.74 125.12,97.55 125.12,96.6 124.69,96.17 U6.1 124.78,96.17 125.13,95.82 125.13,92.23 125.95,91.4 125.95,90.31 R13.2 ; J6.B6 151.61,98.17 151.84,97.94 152.39,97.94 ; 152.39,97.94 152.39,97.49 U2.1 152.06,96.55 152.42,96.19 152.42,91.88 152.85,91.45 152.85,90.95 R7.2 ; 152.39,97.94 152.61,98.17 J6.A6
D-: length 25.4
  Top w0.2: R8.2 153.3,90.94 153.3,91.56 152.87,92 152.87,96.25 153.18,96.55 U2.6 152.86,97.5 152.86,97.84 153.11,98.1 J6.B7 ; J6.B7 153.11,99.42 152.89,99.64 152.34,99.64 152.11,99.42 J6.A7 ; J6.B7 153.08,98.76 ; J2.A7 125.04,99.21 125.28,99.45 125.8,99.45 126.04,99.21 J2.B7 126.04,97.9 125.54,97.4 125.54,96.6 125.97,96.17 U6.6 125.88,96.17 125.58,95.87 125.58,92.41 126.4,91.59 126.4,90.28 R14.2
